# KiCad board panel.kicad_pcb
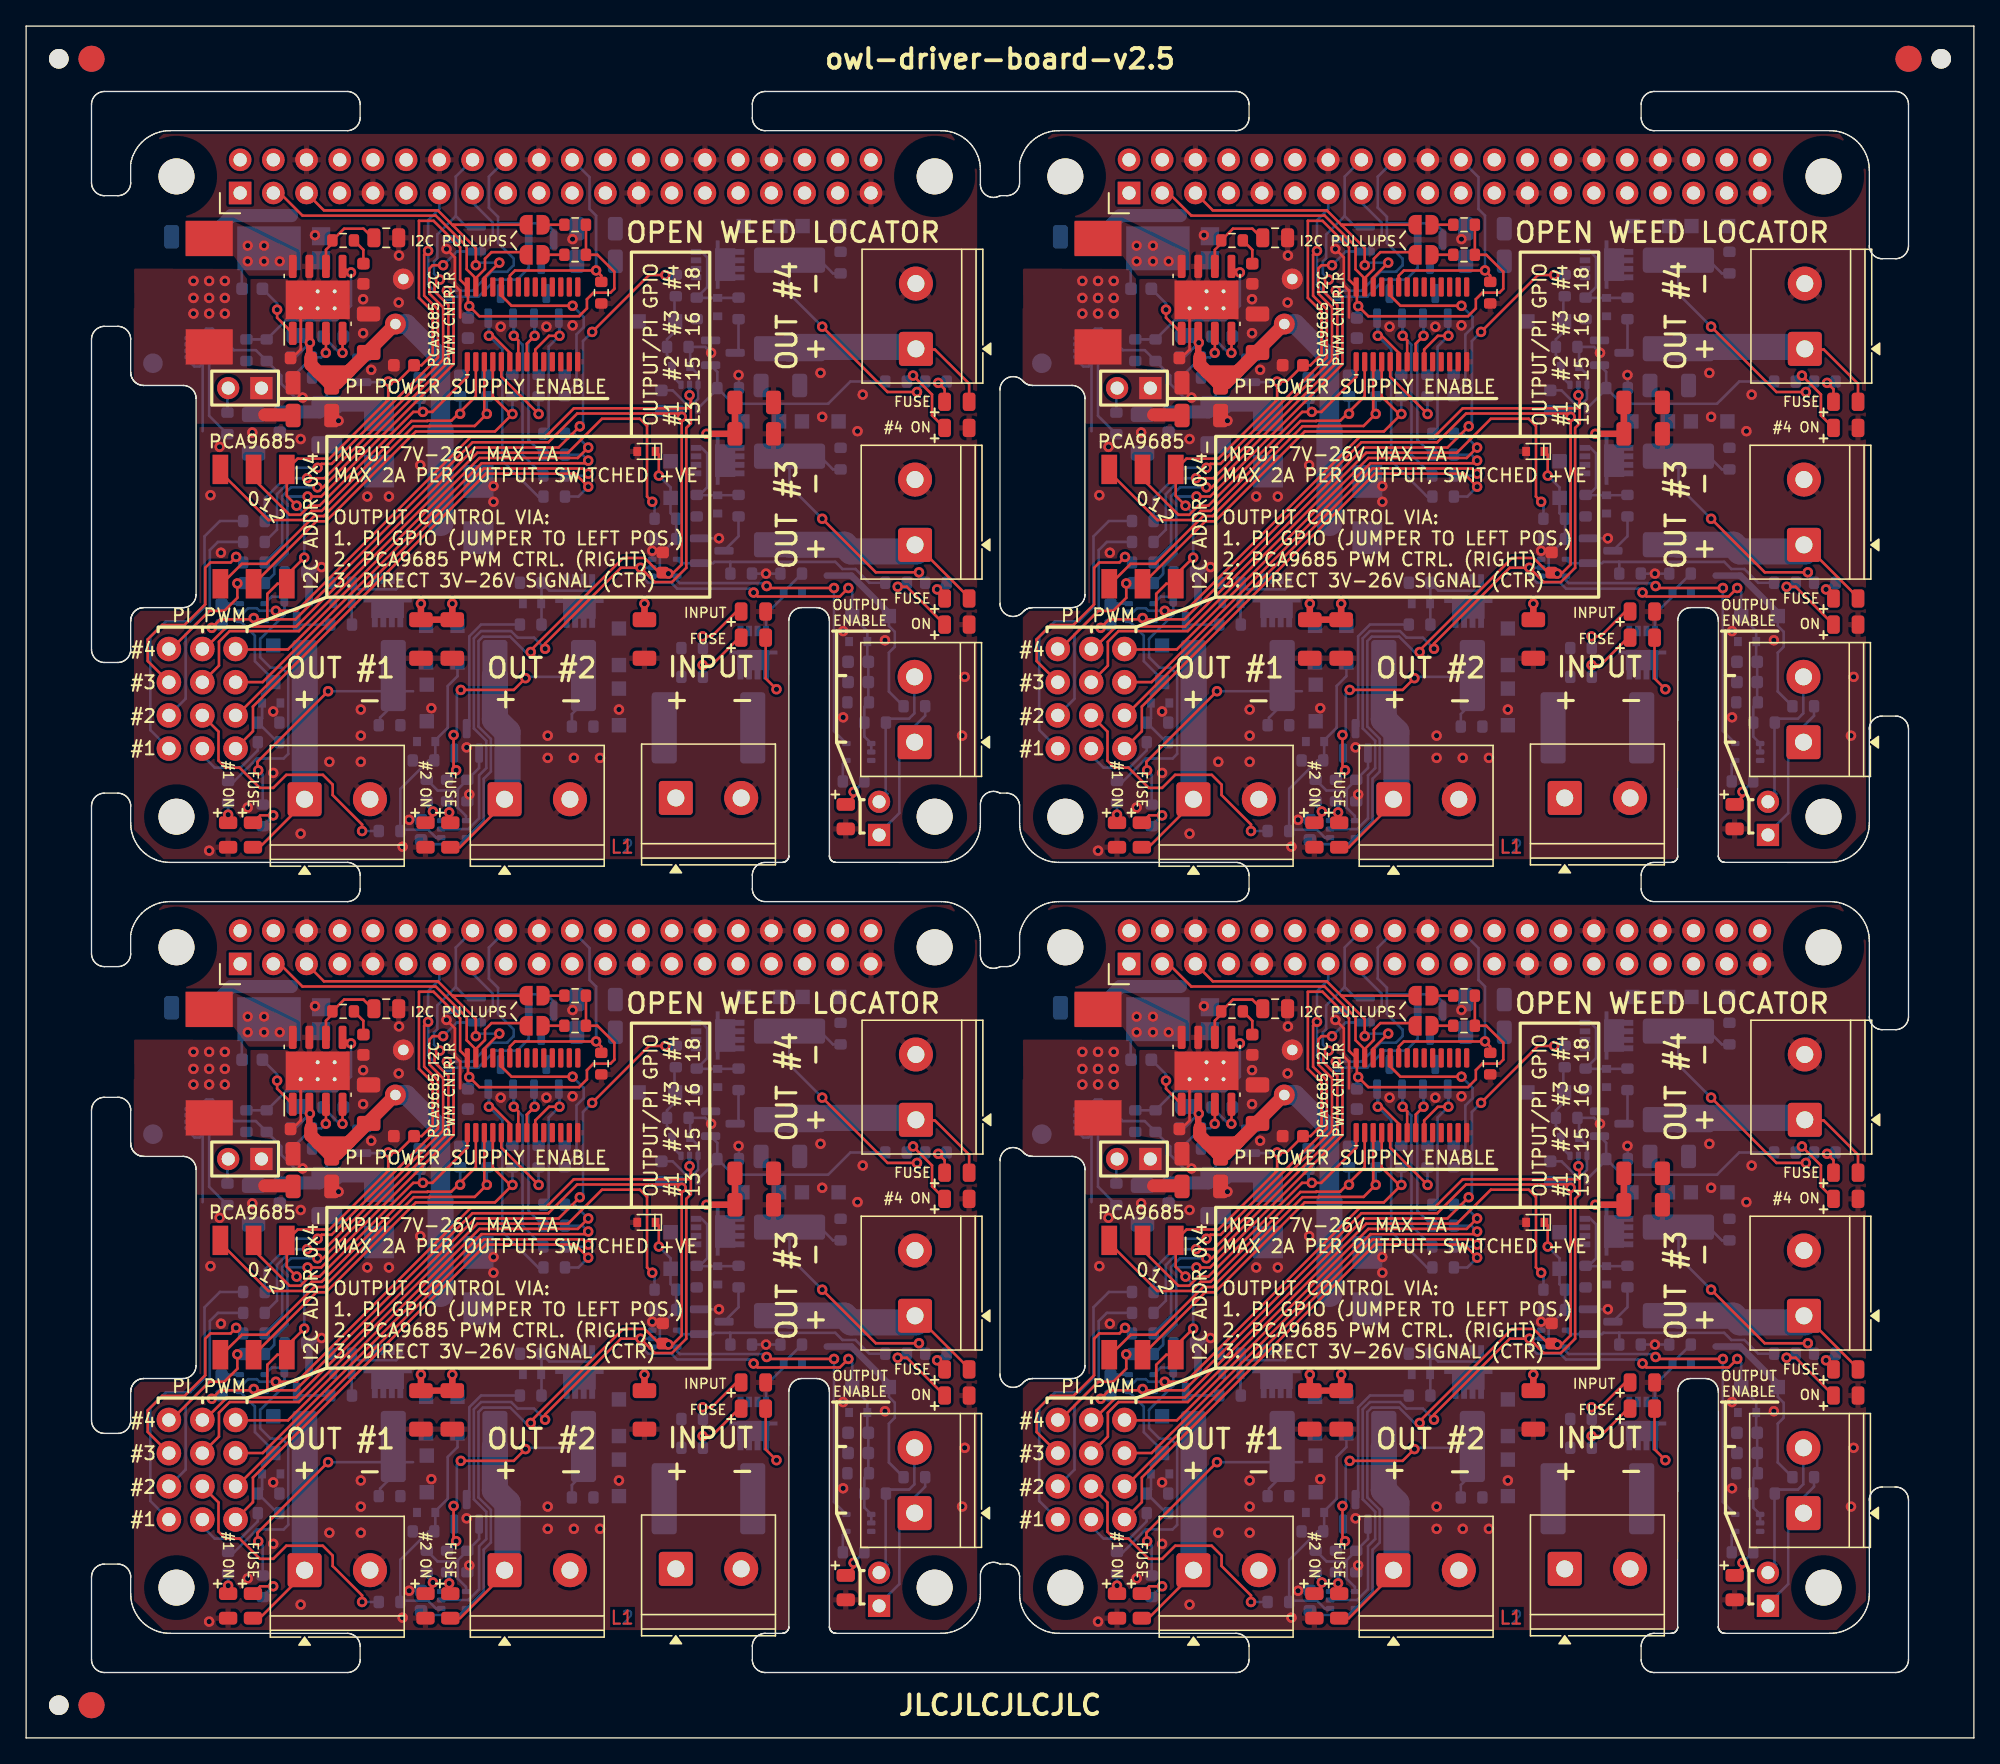
[diagram p0: board, top side]
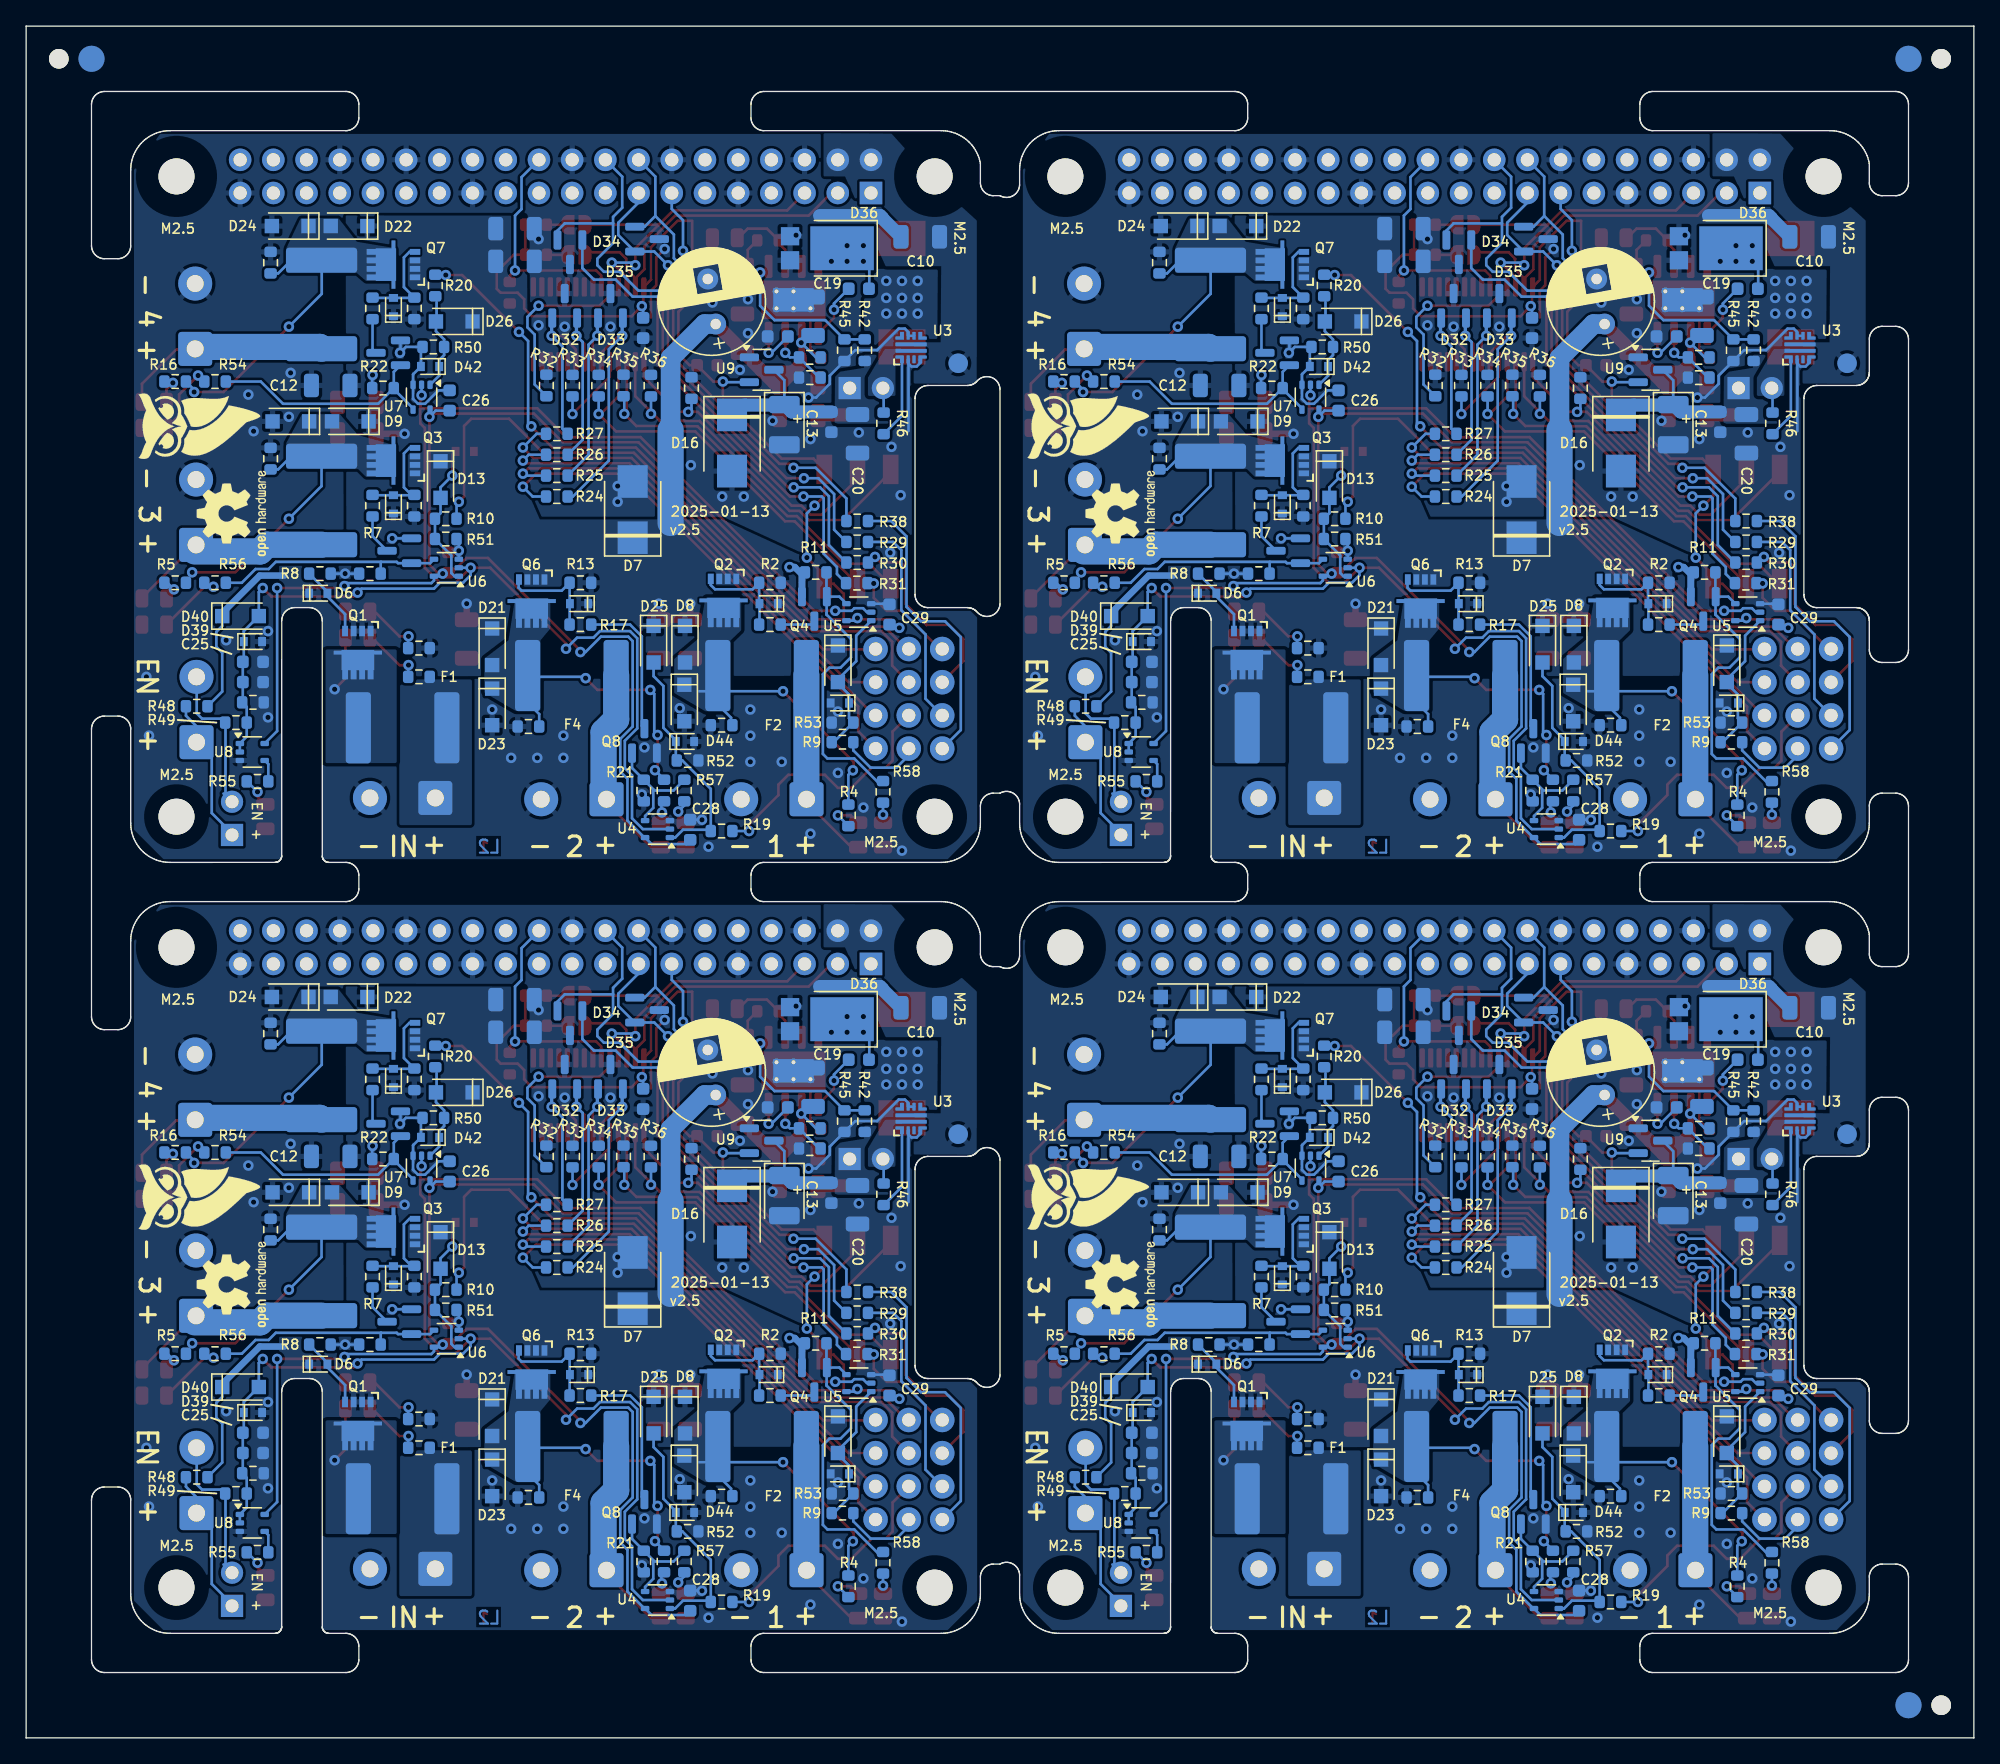
[diagram p1: board, bottom side, seen from below]

Outline 149 x 131 mm; copper layers: Top, Bottom. Coordinates in mm from the lower left corner of the outline.
Stack: Top 0.035mm / dielectric 1.51mm FR4 er 4.5 / Bottom 0.035mm

## Placement (name value [footprint] x y rotation side)
C1  10uF  [C_1206_3216Metric_nosilk]  115.3 25.1 270 top
C1#2  10uF  [C_1206_3216Metric_nosilk]  47.3 25.1 270 top
C1#3  10uF  [C_1206_3216Metric_nosilk]  115.3 84.1 270 top
C1#4  10uF  [C_1206_3216Metric_nosilk]  47.3 84.1 270 top
C2  10uF  [C_1206_3216Metric_nosilk]  111.6 54 180 bottom
C2#2  10uF  [C_1206_3216Metric_nosilk]  43.6 113 180 bottom
C2#3  10uF  [C_1206_3216Metric_nosilk]  111.6 113 180 bottom
C2#4  10uF  [C_1206_3216Metric_nosilk]  43.6 54 180 bottom
C3  10uF  [C_1206_3216Metric_nosilk]  98.2 25.1 270 top
C3#2  10uF  [C_1206_3216Metric_nosilk]  30.2 25.1 270 top
C3#3  10uF  [C_1206_3216Metric_nosilk]  30.2 84.1 270 top
C3#4  10uF  [C_1206_3216Metric_nosilk]  98.2 84.1 270 top
C4  10uF  [C_1206_3216Metric_nosilk]  111.6 56.5 180 bottom
C4#2  10uF  [C_1206_3216Metric_nosilk]  43.6 56.5 180 bottom
C4#3  10uF  [C_1206_3216Metric_nosilk]  43.6 115.5 180 bottom
C4#4  10uF  [C_1206_3216Metric_nosilk]  111.6 115.5 180 bottom
C5  10uF  [C_1206_3216Metric_nosilk]  94.2 107.5 90 top
C5#2  10uF  [C_1206_3216Metric_nosilk]  26.2 48.5 90 top
C5#3  10uF  [C_1206_3216Metric_nosilk]  26.2 107.5 90 top
C5#4  10uF  [C_1206_3216Metric_nosilk]  94.2 48.5 90 top
C6  0.1uF  [C_0603_1608Metric_nosilk]  21 46.6 180 top
C6#2  0.1uF  [C_0603_1608Metric_nosilk]  89 105.6 180 top
C6#3  0.1uF  [C_0603_1608Metric_nosilk]  21 105.6 180 top
C6#4  0.1uF  [C_0603_1608Metric_nosilk]  89 46.6 180 top
C7  0.1uF  [C_0603_1608Metric_nosilk]  101.8 48.9 270 bottom
C7#2  0.1uF  [C_0603_1608Metric_nosilk]  33.8 107.9 270 bottom
C7#3  0.1uF  [C_0603_1608Metric_nosilk]  33.8 48.9 270 bottom
C7#4  0.1uF  [C_0603_1608Metric_nosilk]  101.8 107.9 270 bottom
C8  220uF 25V  [CP_Radial_D8.0mm_P3.50mm]  28.25 49.2 80 bottom  (not fitted)
C8#2  220uF 25V  [CP_Radial_D8.0mm_P3.50mm]  96.25 49.2 80 bottom  (not fitted)
C8#3  220uF 25V  [CP_Radial_D8.0mm_P3.50mm]  96.25 108.2 80 bottom  (not fitted)
C8#4  220uF 25V  [CP_Radial_D8.0mm_P3.50mm]  28.25 108.2 80 bottom  (not fitted)
C9  0.1uF  [C_0603_1608Metric_nosilk]  19.4 41.7 270 bottom
C9#2  0.1uF  [C_0603_1608Metric_nosilk]  87.4 41.7 270 bottom
C9#3  0.1uF  [C_0603_1608Metric_nosilk]  87.4 100.7 270 bottom
C9#4  0.1uF  [C_0603_1608Metric_nosilk]  19.4 100.7 270 bottom
C10  10uF  [C_1206_3216Metric_nosilk]  80.6 55.88 0 bottom
C10#2  10uF  [C_1206_3216Metric_nosilk]  12.6 55.88 0 bottom
C10#3  10uF  [C_1206_3216Metric_nosilk]  80.6 114.88 0 bottom
C10#4  10uF  [C_1206_3216Metric_nosilk]  12.6 114.88 0 bottom
C11  10uF  [C_1206_3216Metric_nosilk]  32.6 84.1 270 top
C11#2  10uF  [C_1206_3216Metric_nosilk]  100.6 84.1 270 top
C11#3  10uF  [C_1206_3216Metric_nosilk]  32.6 25.1 270 top
C11#4  10uF  [C_1206_3216Metric_nosilk]  100.6 25.1 270 top
C12  10uF  [C_1206_3216Metric_nosilk]  125.7 44.5 0 bottom
C12#2  10uF  [C_1206_3216Metric_nosilk]  125.7 103.5 0 bottom
C12#3  10uF  [C_1206_3216Metric_nosilk]  57.7 103.5 0 bottom
C12#4  10uF  [C_1206_3216Metric_nosilk]  57.7 44.5 0 bottom
C13  100uF 6.3V  [CP_EIA-3528-21_Kemet-B]  23 41.5 270 bottom
C13#2  100uF 6.3V  [CP_EIA-3528-21_Kemet-B]  91 41.5 270 bottom
C13#3  100uF 6.3V  [CP_EIA-3528-21_Kemet-B]  23 100.5 270 bottom
C13#4  100uF 6.3V  [CP_EIA-3528-21_Kemet-B]  91 100.5 270 bottom
C14  10uF  [C_1206_3216Metric_nosilk]  89.9 42.2 0 top
C14#2  10uF  [C_1206_3216Metric_nosilk]  21.9 42.2 0 top
C14#3  10uF  [C_1206_3216Metric_nosilk]  89.9 101.2 0 top
C14#4  10uF  [C_1206_3216Metric_nosilk]  21.9 101.2 0 top
C15  10uF  [C_1206_3216Metric_nosilk]  123.7 102.2 0 top
C15#2  10uF  [C_1206_3216Metric_nosilk]  123.7 43.2 0 top
C15#3  10uF  [C_1206_3216Metric_nosilk]  55.7 43.2 0 top
C15#4  10uF  [C_1206_3216Metric_nosilk]  55.7 102.2 0 top
C16  10uF  [C_1206_3216Metric_nosilk]  123.7 40.8 0 top
C16#2  10uF  [C_1206_3216Metric_nosilk]  55.7 40.8 0 top
C16#3  10uF  [C_1206_3216Metric_nosilk]  123.7 99.8 0 top
C16#4  10uF  [C_1206_3216Metric_nosilk]  55.7 99.8 0 top
C17  0.1uF  [C_0603_1608Metric_nosilk]  85.3 51.9 180 bottom
C17#2  0.1uF  [C_0603_1608Metric_nosilk]  17.3 110.9 180 bottom
C17#3  0.1uF  [C_0603_1608Metric_nosilk]  17.3 51.9 180 bottom
C17#4  0.1uF  [C_0603_1608Metric_nosilk]  85.3 110.9 180 bottom
C18  10uF  [C_1206_3216Metric_nosilk]  89.9 103.7 180 top
C18#2  10uF  [C_1206_3216Metric_nosilk]  21.9 103.7 180 top
C18#3  10uF  [C_1206_3216Metric_nosilk]  21.9 44.7 180 top
C18#4  10uF  [C_1206_3216Metric_nosilk]  89.9 44.7 180 top
C19  10uF  [C_1206_3216Metric_nosilk]  20.8 49.8 90 bottom
C19#2  10uF  [C_1206_3216Metric_nosilk]  20.8 108.8 90 bottom
C19#3  10uF  [C_1206_3216Metric_nosilk]  88.8 49.8 90 bottom
C19#4  10uF  [C_1206_3216Metric_nosilk]  88.8 108.8 90 bottom
C20  10uF  [C_1206_3216Metric_nosilk]  85.4 99.8 270 bottom
C20#2  10uF  [C_1206_3216Metric_nosilk]  17.4 99.8 270 bottom
C20#3  10uF  [C_1206_3216Metric_nosilk]  85.4 40.8 270 bottom
C20#4  10uF  [C_1206_3216Metric_nosilk]  17.4 40.8 270 bottom
C21  0.1uF  [C_0603_1608Metric_nosilk]  63.65 80.8 180 bottom
C21#2  0.1uF  [C_0603_1608Metric_nosilk]  131.65 80.8 180 bottom
C21#3  0.1uF  [C_0603_1608Metric_nosilk]  131.65 21.8 180 bottom
C21#4  0.1uF  [C_0603_1608Metric_nosilk]  63.65 21.8 180 bottom
C22  10p  [C_0805_2012Metric]  95.55 55.8 0 top
C22#2  10p  [C_0805_2012Metric]  95.55 114.8 0 top
C22#3  10p  [C_0805_2012Metric]  27.55 55.8 0 top
C22#4  10p  [C_0805_2012Metric]  27.55 114.8 0 top
C23  2n  [C_0603_1608Metric_nosilk]  93.8 53.05 270 top
C23#2  2n  [C_0603_1608Metric_nosilk]  25.8 112.05 270 top
C23#3  2n  [C_0603_1608Metric_nosilk]  93.8 112.05 270 top
C23#4  2n  [C_0603_1608Metric_nosilk]  25.8 53.05 270 top
C24  10n  [C_0603_1608Metric_nosilk]  23.5 48.25 0 bottom
C24#2  10n  [C_0603_1608Metric_nosilk]  23.5 107.25 0 bottom
C24#3  10n  [C_0603_1608Metric_nosilk]  91.5 107.25 0 bottom
C24#4  10n  [C_0603_1608Metric_nosilk]  91.5 48.25 0 bottom
C25  0.1uF  [C_0603_1608Metric_nosilk]  131.65 23.35 180 bottom
C25#2  0.1uF  [C_0603_1608Metric_nosilk]  63.65 23.35 180 bottom
C25#3  0.1uF  [C_0603_1608Metric_nosilk]  63.65 82.35 180 bottom
C25#4  0.1uF  [C_0603_1608Metric_nosilk]  131.65 82.35 180 bottom
C26  0.1uF  [C_0603_1608Metric_nosilk]  48.6 102.35 90 bottom
C26#2  0.1uF  [C_0603_1608Metric_nosilk]  116.6 43.35 90 bottom
C26#3  0.1uF  [C_0603_1608Metric_nosilk]  48.6 43.35 90 bottom
C26#4  0.1uF  [C_0603_1608Metric_nosilk]  116.6 102.35 90 bottom
C27  0.1uF  [C_0603_1608Metric_nosilk]  116.7 89.95 90 top
C27#2  0.1uF  [C_0603_1608Metric_nosilk]  116.7 30.95 90 top
C27#3  0.1uF  [C_0603_1608Metric_nosilk]  48.7 89.95 90 top
C27#4  0.1uF  [C_0603_1608Metric_nosilk]  48.7 30.95 90 top
C28  0.1uF  [C_0603_1608Metric_nosilk]  98.2 10.5 90 bottom
C28#2  0.1uF  [C_0603_1608Metric_nosilk]  30.2 10.5 90 bottom
C28#3  0.1uF  [C_0603_1608Metric_nosilk]  98.2 69.5 90 bottom
C28#4  0.1uF  [C_0603_1608Metric_nosilk]  30.2 69.5 90 bottom
C29  0.1uF  [C_0603_1608Metric_nosilk]  82.95 85.98 90 bottom
C29#2  0.1uF  [C_0603_1608Metric_nosilk]  14.95 85.98 90 bottom
C29#3  0.1uF  [C_0603_1608Metric_nosilk]  14.95 26.98 90 bottom
C29#4  0.1uF  [C_0603_1608Metric_nosilk]  82.95 26.98 90 bottom
C30  0.1uF  [C_0603_1608Metric_nosilk]  96.9 46.05 180 top
C30#2  0.1uF  [C_0603_1608Metric_nosilk]  28.9 46.05 180 top
C30#3  0.1uF  [C_0603_1608Metric_nosilk]  96.9 105.05 180 top
C30#4  0.1uF  [C_0603_1608Metric_nosilk]  28.9 105.05 180 top
D1  SZYY0805R  [LED_0805_2012Metric]  55.63 25.2 180 top
D1#2  SZYY0805R  [LED_0805_2012Metric]  123.63 84.2 180 top
D1#3  SZYY0805R  [LED_0805_2012Metric]  55.63 84.2 180 top
D1#4  SZYY0805R  [LED_0805_2012Metric]  123.63 25.2 180 top
D2  BZT585B13T-7 13V  [D_SOD-523_silkpolarity]  92.2 86.8 0 bottom
D2#2  BZT585B13T-7 13V  [D_SOD-523_silkpolarity]  92.2 27.8 0 bottom
D2#3  BZT585B13T-7 13V  [D_SOD-523_silkpolarity]  24.2 86.8 0 bottom
D2#4  BZT585B13T-7 13V  [D_SOD-523_silkpolarity]  24.2 27.8 0 bottom
D3  BZT585B13T-7 13V  [D_SOD-523_silkpolarity]  52.9 94.4 90 bottom
D3#2  BZT585B13T-7 13V  [D_SOD-523_silkpolarity]  120.9 35.4 90 bottom
D3#3  BZT585B13T-7 13V  [D_SOD-523_silkpolarity]  120.9 94.4 90 bottom
D3#4  BZT585B13T-7 13V  [D_SOD-523_silkpolarity]  52.9 35.4 90 bottom
D4  SZYY0805R  [LED_0805_2012Metric]  85.35 69.1 90 top
D4#2  SZYY0805R  [LED_0805_2012Metric]  17.35 10.1 90 top
D4#3  SZYY0805R  [LED_0805_2012Metric]  17.35 69.1 90 top
D4#4  SZYY0805R  [LED_0805_2012Metric]  85.35 10.1 90 top
D5  SZYY0805R  [LED_0805_2012Metric]  71.2 87.2 180 top
D5#2  SZYY0805R  [LED_0805_2012Metric]  139.2 87.2 180 top
D5#3  SZYY0805R  [LED_0805_2012Metric]  139.2 28.2 180 top
D5#4  SZYY0805R  [LED_0805_2012Metric]  71.2 28.2 180 top
D6  BZT585B13T-7 13V  [D_SOD-523_silkpolarity]  126.65 87.6 180 bottom
D6#2  BZT585B13T-7 13V  [D_SOD-523_silkpolarity]  126.65 28.6 180 bottom
D6#3  BZT585B13T-7 13V  [D_SOD-523_silkpolarity]  58.65 87.6 180 bottom
D6#4  BZT585B13T-7 13V  [D_SOD-523_silkpolarity]  58.65 28.6 180 bottom
D7  SMBJ26A  [D_SMB_silkpolarity]  102.6 35 90 bottom
D7#2  SMBJ26A  [D_SMB_silkpolarity]  102.6 94 90 bottom
D7#3  SMBJ26A  [D_SMB_silkpolarity]  34.6 94 90 bottom
D7#4  SMBJ26A  [D_SMB_silkpolarity]  34.6 35 90 bottom
D8  DSK34  [D_SOD-123F_silkpolarity]  30.6 24.7 270 bottom
D8#2  DSK34  [D_SOD-123F_silkpolarity]  98.6 83.7 270 bottom
D8#3  DSK34  [D_SOD-123F_silkpolarity]  30.6 83.7 270 bottom
D8#4  DSK34  [D_SOD-123F_silkpolarity]  98.6 24.7 270 bottom
D9  DSK34  [D_SOD-123F_silkpolarity]  56.2 41.75 0 bottom
D9#2  DSK34  [D_SOD-123F_silkpolarity]  56.2 100.75 0 bottom
D9#3  DSK34  [D_SOD-123F_silkpolarity]  124.2 41.75 0 bottom
D9#4  DSK34  [D_SOD-123F_silkpolarity]  124.2 100.75 0 bottom
D10  DSK34  [D_SOD-123F_silkpolarity]  98.65 79.2 270 bottom
D10#2  DSK34  [D_SOD-123F_silkpolarity]  30.65 20.2 270 bottom
D10#3  DSK34  [D_SOD-123F_silkpolarity]  98.65 20.2 270 bottom
D10#4  DSK34  [D_SOD-123F_silkpolarity]  30.65 79.2 270 bottom
D11  DSK34  [D_SOD-123F_silkpolarity]  128.75 100.75 0 bottom
D11#2  DSK34  [D_SOD-123F_silkpolarity]  128.75 41.75 0 bottom
D11#3  DSK34  [D_SOD-123F_silkpolarity]  60.75 41.75 0 bottom
D11#4  DSK34  [D_SOD-123F_silkpolarity]  60.75 100.75 0 bottom
D12  DSK34  [D_SOD-123F_silkpolarity]  86.9 23.2 270 bottom
D12#2  DSK34  [D_SOD-123F_silkpolarity]  18.9 23.2 270 bottom
D12#3  DSK34  [D_SOD-123F_silkpolarity]  86.9 82.2 270 bottom
D12#4  DSK34  [D_SOD-123F_silkpolarity]  18.9 82.2 270 bottom
D13  DSK34  [D_SOD-123F_silkpolarity]  117.3 37.3 270 bottom
D13#2  DSK34  [D_SOD-123F_silkpolarity]  49.3 96.3 270 bottom
D13#3  DSK34  [D_SOD-123F_silkpolarity]  49.3 37.3 270 bottom
D13#4  DSK34  [D_SOD-123F_silkpolarity]  117.3 96.3 270 bottom
D16  SMBJ5.0A  [D_SMB_silkpolarity]  95 99.1 270 bottom
D16#2  SMBJ5.0A  [D_SMB_silkpolarity]  95 40.1 270 bottom
D16#3  SMBJ5.0A  [D_SMB_silkpolarity]  27 99.1 270 bottom
D16#4  SMBJ5.0A  [D_SMB_silkpolarity]  27 40.1 270 bottom
D17  BZT585B13T-7 13V  [D_SOD-523_silkpolarity]  38.7 27.8 0 bottom
D17#2  BZT585B13T-7 13V  [D_SOD-523_silkpolarity]  106.7 27.8 0 bottom
D17#3  BZT585B13T-7 13V  [D_SOD-523_silkpolarity]  106.7 86.8 0 bottom
D17#4  BZT585B13T-7 13V  [D_SOD-523_silkpolarity]  38.7 86.8 0 bottom
D18  BZT585B13T-7 13V  [D_SOD-523_silkpolarity]  120.9 50.5 90 bottom
D18#2  BZT585B13T-7 13V  [D_SOD-523_silkpolarity]  52.9 50.5 90 bottom
D18#3  BZT585B13T-7 13V  [D_SOD-523_silkpolarity]  52.9 109.5 90 bottom
D18#4  BZT585B13T-7 13V  [D_SOD-523_silkpolarity]  120.9 109.5 90 bottom
D19  SZYY0805R  [LED_0805_2012Metric]  32.45 69.1 90 top
D19#2  SZYY0805R  [LED_0805_2012Metric]  32.45 10.1 90 top
D19#3  SZYY0805R  [LED_0805_2012Metric]  100.45 69.1 90 top
D19#4  SZYY0805R  [LED_0805_2012Metric]  100.45 10.1 90 top
D20  SZYY0805R  [LED_0805_2012Metric]  71.2 43.25 180 top
D20#2  SZYY0805R  [LED_0805_2012Metric]  139.2 43.25 180 top
D20#3  SZYY0805R  [LED_0805_2012Metric]  71.2 102.25 180 top
D20#4  SZYY0805R  [LED_0805_2012Metric]  139.2 102.25 180 top
D21  DSK34  [D_SOD-123F_silkpolarity]  45.35 24.5 270 bottom
D21#2  DSK34  [D_SOD-123F_silkpolarity]  113.35 24.5 270 bottom
D21#3  DSK34  [D_SOD-123F_silkpolarity]  113.35 83.5 270 bottom
D21#4  DSK34  [D_SOD-123F_silkpolarity]  45.35 83.5 270 bottom
D22  DSK34  [D_SOD-123F_silkpolarity]  56.3 115.7 0 bottom
D22#2  DSK34  [D_SOD-123F_silkpolarity]  56.3 56.7 0 bottom
D22#3  DSK34  [D_SOD-123F_silkpolarity]  124.3 56.7 0 bottom
D22#4  DSK34  [D_SOD-123F_silkpolarity]  124.3 115.7 0 bottom
D23  DSK34  [D_SOD-123F_silkpolarity]  45.35 78.9 270 bottom
D23#2  DSK34  [D_SOD-123F_silkpolarity]  113.35 78.9 270 bottom
D23#3  DSK34  [D_SOD-123F_silkpolarity]  113.35 19.9 270 bottom
D23#4  DSK34  [D_SOD-123F_silkpolarity]  45.35 19.9 270 bottom
D24  DSK34  [D_SOD-123F_silkpolarity]  128.8 56.7 0 bottom
D24#2  DSK34  [D_SOD-123F_silkpolarity]  60.8 56.7 0 bottom
D24#3  DSK34  [D_SOD-123F_silkpolarity]  60.8 115.7 0 bottom
D24#4  DSK34  [D_SOD-123F_silkpolarity]  128.8 115.7 0 bottom
D25  DSK34  [D_SOD-123F_silkpolarity]  33 83.7 270 bottom
D25#2  DSK34  [D_SOD-123F_silkpolarity]  101 24.7 270 bottom
D25#3  DSK34  [D_SOD-123F_silkpolarity]  101 83.7 270 bottom
D25#4  DSK34  [D_SOD-123F_silkpolarity]  33 24.7 270 bottom
D26  DSK34  [D_SOD-123F_silkpolarity]  116.25 108.4 0 bottom
D26#2  DSK34  [D_SOD-123F_silkpolarity]  48.25 108.4 0 bottom
D26#3  DSK34  [D_SOD-123F_silkpolarity]  116.25 49.4 0 bottom
D26#4  DSK34  [D_SOD-123F_silkpolarity]  48.25 49.4 0 bottom
D29  SZYY0805YG  [LED_0805_2012Metric]  83.45 69.1 90 top
D29#2  SZYY0805YG  [LED_0805_2012Metric]  15.45 10.1 90 top
D29#3  SZYY0805YG  [LED_0805_2012Metric]  83.45 10.1 90 top
D29#4  SZYY0805YG  [LED_0805_2012Metric]  15.45 69.1 90 top
D30  SZYY0805YG  [LED_0805_2012Metric]  71.2 85.2 180 top
D30#2  SZYY0805YG  [LED_0805_2012Metric]  139.2 26.2 180 top
D30#3  SZYY0805YG  [LED_0805_2012Metric]  139.2 85.2 180 top
D30#4  SZYY0805YG  [LED_0805_2012Metric]  71.2 26.2 180 top
D31  SZYY0805YG  [LED_0805_2012Metric]  98.55 10.1 90 top
D31#2  SZYY0805YG  [LED_0805_2012Metric]  30.55 10.1 90 top
D31#3  SZYY0805YG  [LED_0805_2012Metric]  30.55 69.1 90 top
D31#4  SZYY0805YG  [LED_0805_2012Metric]  98.55 69.1 90 top
D32  AZ23C3V3  [SOT-23_nosilk]  39.8 50.6 90 bottom
D32#2  AZ23C3V3  [SOT-23_nosilk]  39.8 109.6 90 bottom
D32#3  AZ23C3V3  [SOT-23_nosilk]  107.8 50.6 90 bottom
D32#4  AZ23C3V3  [SOT-23_nosilk]  107.8 109.6 90 bottom
D33  AZ23C3V3  [SOT-23_nosilk]  104.3 109.6 90 bottom
D33#2  AZ23C3V3  [SOT-23_nosilk]  36.3 50.6 90 bottom
D33#3  AZ23C3V3  [SOT-23_nosilk]  104.3 50.6 90 bottom
D33#4  AZ23C3V3  [SOT-23_nosilk]  36.3 109.6 90 bottom
D34  AZ23C3V3  [SOT-23_nosilk]  39.4 113.7 270 bottom
D34#2  AZ23C3V3  [SOT-23_nosilk]  107.4 113.7 270 bottom
D34#3  AZ23C3V3  [SOT-23_nosilk]  107.4 54.7 270 bottom
D34#4  AZ23C3V3  [SOT-23_nosilk]  39.4 54.7 270 bottom
D35  AZ23C3V3  [SOT-23_nosilk]  33.5 114.7 180 bottom
D35#2  AZ23C3V3  [SOT-23_nosilk]  101.5 114.7 180 bottom
D35#3  AZ23C3V3  [SOT-23_nosilk]  101.5 55.7 180 bottom
D35#4  AZ23C3V3  [SOT-23_nosilk]  33.5 55.7 180 bottom
D36  PDS1040L-13  [D_PowerDI-5]  87.7 114 0 bottom
D36#2  PDS1040L-13  [D_PowerDI-5]  19.7 55 0 bottom
D36#3  PDS1040L-13  [D_PowerDI-5]  87.7 55 0 bottom
D36#4  PDS1040L-13  [D_PowerDI-5]  19.7 114 0 bottom
D37  SZYY0805YG  [LED_0805_2012Metric]  71.2 100.25 180 top
D37#2  SZYY0805YG  [LED_0805_2012Metric]  139.2 41.25 180 top
D37#3  SZYY0805YG  [LED_0805_2012Metric]  139.2 100.25 180 top
D37#4  SZYY0805YG  [LED_0805_2012Metric]  71.2 41.25 180 top
D38  SZYY0805YG  [LED_0805_2012Metric]  55.63 86.2 180 top
D38#2  SZYY0805YG  [LED_0805_2012Metric]  123.63 86.2 180 top
D38#3  SZYY0805YG  [LED_0805_2012Metric]  55.63 27.2 180 top
D38#4  SZYY0805YG  [LED_0805_2012Metric]  123.63 27.2 180 top
D39  BZT52C5V1T  [D_SOD-523_silkpolarity]  63.65 83.9 180 bottom
D39#2  BZT52C5V1T  [D_SOD-523_silkpolarity]  131.65 24.9 180 bottom
D39#3  BZT52C5V1T  [D_SOD-523_silkpolarity]  131.65 83.9 180 bottom
D39#4  BZT52C5V1T  [D_SOD-523_silkpolarity]  63.65 24.9 180 bottom
D40  DSK34  [D_SOD-123F_silkpolarity]  132.6 85.85 180 bottom
D40#2  DSK34  [D_SOD-123F_silkpolarity]  64.6 85.85 180 bottom
D40#3  DSK34  [D_SOD-123F_silkpolarity]  132.6 26.85 180 bottom
D40#4  DSK34  [D_SOD-123F_silkpolarity]  64.6 26.85 180 bottom
D41  SZYY0805YG  [LED_0805_2012Metric]  130.7 11.5 90 top
D41#2  SZYY0805YG  [LED_0805_2012Metric]  130.7 70.5 90 top
D41#3  SZYY0805YG  [LED_0805_2012Metric]  62.7 11.5 90 top
D41#4  SZYY0805YG  [LED_0805_2012Metric]  62.7 70.5 90 top
D42  BZT52C5V1T  [D_SOD-523_silkpolarity]  118.1 104.95 0 bottom
D42#2  BZT52C5V1T  [D_SOD-523_silkpolarity]  50.1 104.95 0 bottom
D42#3  BZT52C5V1T  [D_SOD-523_silkpolarity]  118.1 45.95 0 bottom
D42#4  BZT52C5V1T  [D_SOD-523_silkpolarity]  50.1 45.95 0 bottom
D43  BZT52C5V1T  [D_SOD-523_silkpolarity]  47.45 39.45 180 top
D43#2  BZT52C5V1T  [D_SOD-523_silkpolarity]  47.45 98.45 180 top
D43#3  BZT52C5V1T  [D_SOD-523_silkpolarity]  115.45 98.45 180 top
D43#4  BZT52C5V1T  [D_SOD-523_silkpolarity]  115.45 39.45 180 top
D44  BZT52C5V1T  [D_SOD-523_silkpolarity]  98.6 76.25 180 bottom
D44#2  BZT52C5V1T  [D_SOD-523_silkpolarity]  30.6 76.25 180 bottom
D44#3  BZT52C5V1T  [D_SOD-523_silkpolarity]  30.6 17.25 180 bottom
D44#4  BZT52C5V1T  [D_SOD-523_silkpolarity]  98.6 17.25 180 bottom
D45  BZT52C5V1T  [D_SOD-523_silkpolarity]  18.75 20.2 0 bottom
D45#2  BZT52C5V1T  [D_SOD-523_silkpolarity]  86.75 79.2 0 bottom
D45#3  BZT52C5V1T  [D_SOD-523_silkpolarity]  18.75 79.2 0 bottom
D45#4  BZT52C5V1T  [D_SOD-523_silkpolarity]  86.75 20.2 0 bottom
F1  2920L700/12  [Fuse_2920_7451Metric_nosilk]  52.2 18.3 0 bottom
F1#2  2920L700/12  [Fuse_2920_7451Metric_nosilk]  120.2 77.3 0 bottom
F1#3  2920L700/12  [Fuse_2920_7451Metric_nosilk]  52.2 77.3 0 bottom
F1#4  2920L700/12  [Fuse_2920_7451Metric_nosilk]  120.2 18.3 0 bottom
F2  2920L200DR  [Fuse_2920_7451Metric_nosilk]  92.7 22.3 180 bottom
F2#2  2920L200DR  [Fuse_2920_7451Metric_nosilk]  92.7 81.3 180 bottom
F2#3  2920L200DR  [Fuse_2920_7451Metric_nosilk]  24.7 22.3 180 bottom
F2#4  2920L200DR  [Fuse_2920_7451Metric_nosilk]  24.7 81.3 180 bottom
F3  2920L200DR  [Fuse_2920_7451Metric_nosilk]  58.4 35.7 270 bottom
F3#2  2920L200DR  [Fuse_2920_7451Metric_nosilk]  126.4 94.7 270 bottom